# Altium PCB 2-quilter-output.PcbDoc (part 10 of 26) (continued)
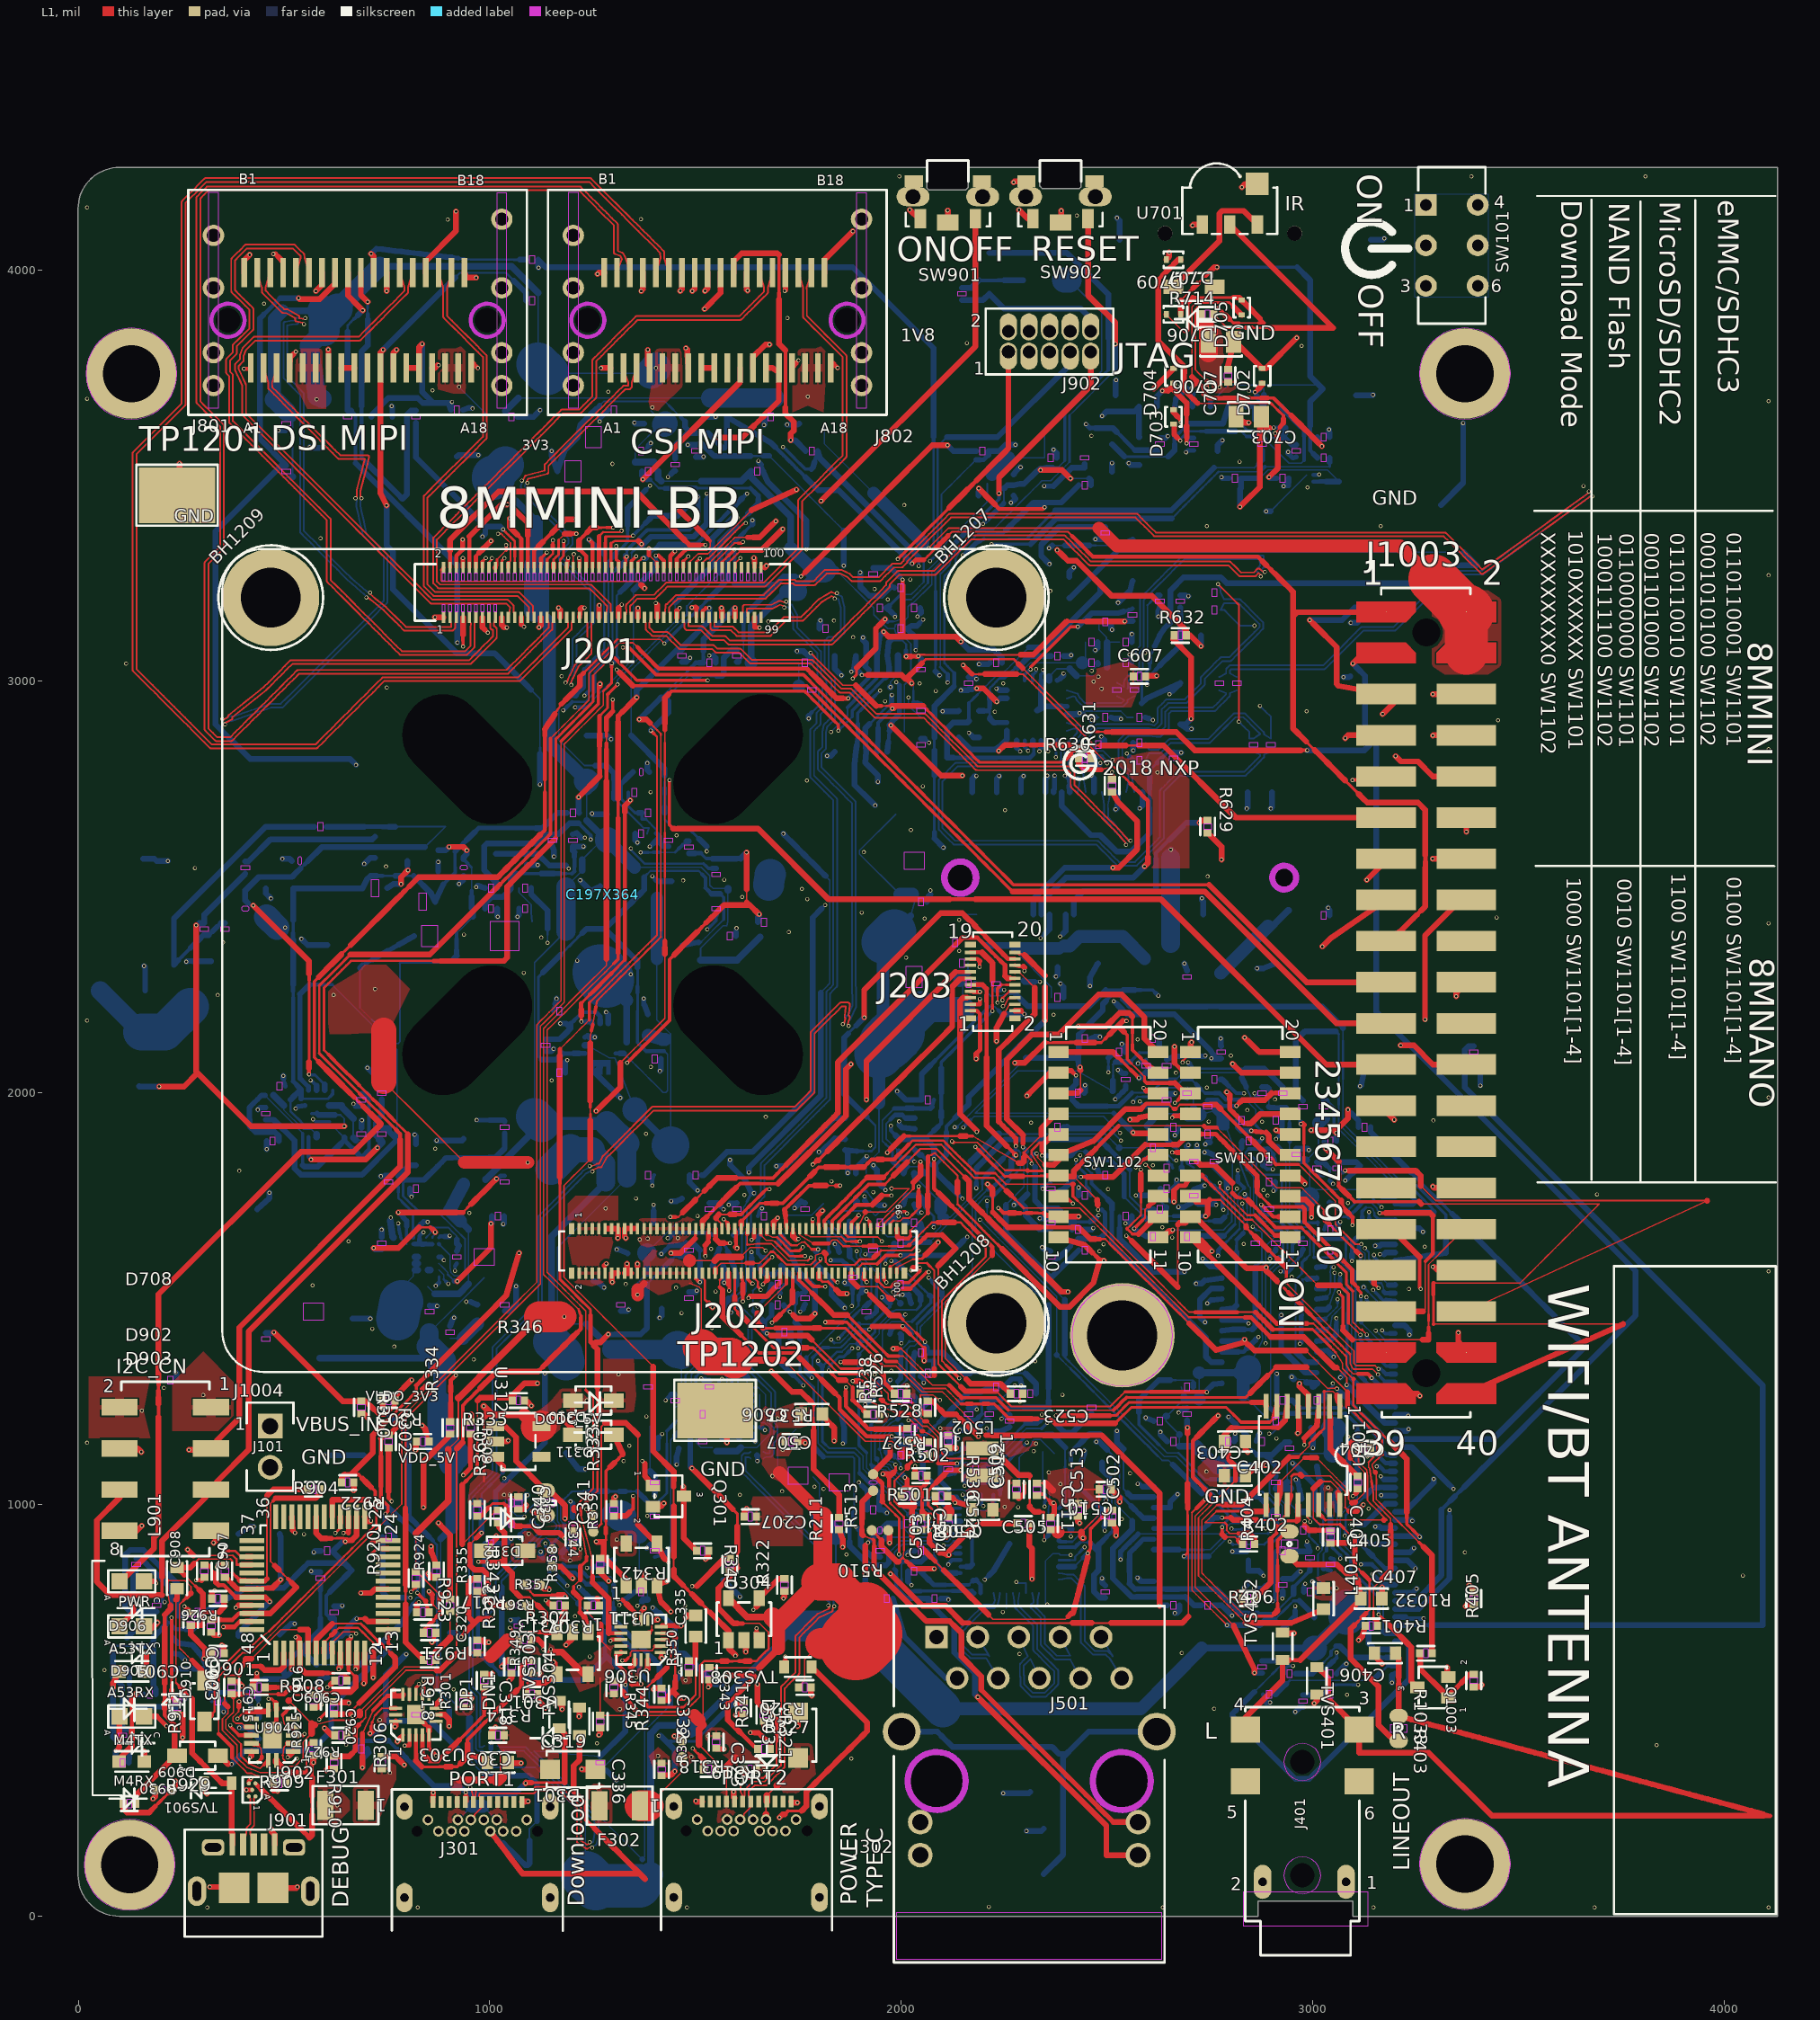
[diagram p0: L1 view]
## Nets (pads, with @x,y where several pads share a name; then routed paths per layer and width w, separated by ;. In a path a pad name is that pad's centre, name@x,y a point inside that pad or via, vN(x,y) a via of type N, cw(c..) or ccw(c..) an arc to the next point about the centre after c; other vN are vias at no path point) (continued)
  L8 w3.5: 1108.61,966.26 1116.63,974.29 ; R517.2@2298.97,1268.81 2306.16,1278.82 2299.49,1282.99
  L8 w3.83: v1(1315.11,755.16) 1321.37,761.42 1327.64,767.69 ; v1(1383.04,971.69) 1389.02,977.66 R328.1@1394.99,983.64 ; v1(2463.2,3025.65) 2469.93,3032.39 C603.2@2478.91,3041.36
  L8 w4.85: 1103.47,959.92 1108.61,966.26 ; 1104.82,953.61 1116.09,950.54 1116.63,949.92 U308.D3@1120.2,946.36 ; 1116.63,974.29 U308.B3@1120.2,977.85 ; v1(2894.65,1171.95) 2901.45,1171.95 2912.24,1182.74 C201.2@2923.03,1193.53 ; 2992.03,921.79 3002.62,911.2 3013.13,900.69 v1@3013.13,892.81 ; 3039.48,1278.11 3049.41,1288.04
  L8 w5.87: 2346.22,1773.82 R1112.2@2354.86,1777.72 ; 2635.57,1731.53 R1118.2@2645.15,1721.95 ; 3049.41,1288.04 v1(3049.41,1293.5)
  L8 w6.9: v1(570.85,1935.76) 576.81,1929.8 ; 2602.26,1750.7 2616.41,1750.7 2625.99,1741.12 2635.57,1731.53 ; 2992.03,921.79 C206.2@2992.04,936.78 ; 3029.56,1268.19 3039.48,1278.11
  L8 w7.92: 437.4,525.74 437.4,513.13 v1(438.3,512.23) ; v1(564.65,2030.64) 565.9,2030.64 572.36,2024.18 ; 576.81,1929.8 587.97,1929.8 599.13,1929.8 U101.2@610.3,1929.78 ; v1(668.58,1973.11) 673.78,1967.91 ; v1@837.64,1660.9 v1(839.29,1660.9) ; v1(915.92,1567.44) C333.2@915.91,1579.54 ; v1@956,3664.81 v1(958.05,3662.77) ; v1(967.3,2500.24) v1@970.26,2503.2 ; v1(1135.66,904.68) 1135.66,897.49 1144.17,888.99 1152.67,880.48 U310.B3@1161.18,871.98 ; 1410.66,1162.23 v1(1419.37,1170.94) ; v1(1433.53,3496.59) C806.2@1441.17,3504.23 ; v1(1514.61,1306.27) 1518.6,1302.29 ; v1(1529.05,2397.04) 1535.29,2403.28 1541.53,2409.52 1547.33,2415.32 1550.67,2418.67 C121.2@1550.66,2432.76 ; v1(1533.46,3062.47) 1543.66,3062.47 ; v1(1858.37,1147.85) v1@1861.21,1150.69 ; v1(1911.34,1748.56) 1912.4,1747.5 U505.2@1912.4,1737.23 ; v1(1912.75,1608) v1@1915.28,1608 ; v1@1989.44,1699.32 v1(1993.63,1699.32) ; v1(2000.73,1391.2) 2000.73,1401.41 ; v1@2180.87,1233.76 v1(2183.91,1230.73) ; v1(2231.46,2982.05) v1@2235.64,2982.05 ; 2324.88,2269.94 v1(2337.46,2269.94) ; U601.10@2340.02,3016.05 2345.08,3021.11 v1(2345.08,3027.55) ; R1112.2@2354.86,1777.72 R1112.2@2363.5,1781.62 ; v1(2526.68,2055.67) v1@2529.47,2055.67 ; v1(2548.86,2824.06) 2548.86,2823.67 R621.2@2556.62,2815.91 ; v1(2570.66,1750.7) 2579.39,1750.7 ; v1(2665.76,1896.78) 2672.09,1903.12 R1139.2@2676.85,1916.27 ; J701.6@2708.53,3694.56 2715.05,3701.08 v1(2721.57,3707.6) ; v1@2877.84,1887.62 v1(2877.84,1889.54) ; v1@3013.13,892.81 v1(3013.21,892.72) ; v1@3014.78,3501.3 v1@3016.35,3502.86
  L8 w8.94: 498.17,2034.52 C106.2@501.24,2024.27 ; 572.36,2024.18 U101.10@578.82,2017.72 ; v1(810.01,1747.01) v1@810.01,1750.63 ; 1073.62,925.91 1083.86,936.15 1094.09,946.38 ; 1115.16,946.38 U308.D3@1120.2,946.36 ; v1@1236.35,845.5 C301.2@1249.4,845.5 ; 1395.19,1785.55 C209.2@1399.53,1800.06 ; v1(1395.3,2526.69) 1404.43,2517.56 ; C522.2@1652.03,1700.43 1655.79,1712.99 v1(1662.03,1719.23) ; v1(1755.01,1468.06) 1760.65,1473.7 ; v1@1915.59,1607.68 C521.2@1923.9,1605.19 ; 2043.08,1709.27 v1(2050.08,1709.27) ; C219.2@2057.71,2860.73 v1(2067.8,2850.62) ; v1(2164.84,2874.92) 2170.68,2869.09 ; C622.2@2240.63,2250.34 v1(2250.27,2250.34) ; v1(2336.31,2830.11) 2336.31,2834.72 2340.02,2838.43 ; U601.10@2340.02,3002.09 U601.10@2340.02,3016.05 ; v1@2399.11,2770.47 2407.6,2761.98 ; v1@2481.74,2798.57 v1(2484.3,2801.13) ; v1@2494.51,936.7 v1(2495,936.21) ; v1(2545.48,1683.04) 2554.05,1683.04 ; 2581.1,2076.06 R1120.2@2595.75,2080.45 ; v1@2665.11,1998.95 v1(2667.2,1998.95) ; C203.2@2865.25,1160.2 2867.77,1168.61
  L8 w9.96: U305.B5@813.73,1632.34 818.78,1632.34 ; 829.49,1643.03 U305.A4@829.48,1648.08 829.49,1652.75 v1@837.64,1660.9 ; C333.2@915.91,1579.54 C333.2@920.29,1586.08 ; U310.B3@1160.4,869.52 U310.B3@1161.18,871.98 ; v1(1395.19,1774.51) 1395.19,1785.55 ; 1398.56,1712.92 1398.56,1727.35 v1(1398.73,1727.52) ; v1(1427.61,1253) 1434.6,1259.98 C313.2@1441.58,1266.96 ; U302.B2@1593.39,1187.5 1598.43,1187.52 ; 1604.09,1187.52 U302.B3@1609.14,1187.5 1614.17,1187.52 ; U302.A4@1624.88,1171.76 1624.88,1176.81 ; 1635.59,1187.52 U302.B5@1640.63,1187.5 ; v1(1980.56,1515.31) v1@1983.8,1518.55 ; 1995.43,1922.36 v1(1995.43,1930.41) ; v1(2015.59,876.28) v1@2015.59,880.47 ; 2016.97,812.63 v1(2025.75,803.85) ; v1@2180.08,2770.17 v1(2183.31,2770.17) ; v1(2203.05,816.59) 2213.97,827.52 ; 2280.96,2838.69 v1(2289.54,2830.11) ; v1(2291.62,1288.16) 2299.49,1282.99 ; v1(2398.21,2770.47) v1@2399.11,2770.47 ; 2407.6,2761.98 J601.51@2408.63,2746.26 ; v1@2494.51,936.7 2494.51,946.22 ; v1(2574.76,1049.86) 2580.16,1049.86 U202.22@2586.89,1043.13 ; C606.2@2602.34,2909.24 2611.73,2905.76 v1(2612.27,2905.76) ; v1(2674.75,1222.69) 2684.72,1232.65 ; 2875.27,832.58 v1@2881.09,826.75 ; U702.B2@3001.73,3501.29 v1@3014.78,3501.3 ; 3337.26,1042.78 v1(3342.93,1037.1)
  L8 w10.99: v1@208.28,762.47 v1(209.87,762.47) ; C106.2@501.24,2024.27 C106.2@503.75,2015.88 ; U305.B3@845.22,1632.34 U305.B2@860.97,1632.34 ; v1(1267.16,3631.72) 1267.16,3639.55 ; 1327.64,767.69 1328.76,768.81 ; v1(1580.95,1727.74) v1@1583.89,1730.68 ; C141.2@1598.6,2389.88 1598.6,2398.65 v1(1600.06,2400.11) ; C521.2@1923.9,1605.19 C521.2@1932.2,1602.68 ; R522.2@2046.83,1311.28 2054.73,1303.38 ; v1(2576.27,2071.23) 2581.1,2076.06 ; v1@2735.98,1774.78 v1(2738.15,1774.78) ; U202.9@2840.1,885.52 U202.9@2844.15,889.6 ; C203.2@2862.98,1152.6 C203.2@2865.25,1160.2 ; 2869.52,1879.3 v1@2877.84,1887.62 ; C201.2@2923.03,1193.53 C201.2@2925.68,1202.4 ; v1(3146.11,830.01) 3154.58,821.54 3163.05,813.07 3171.52,804.61
  L8 w12.01: 818.78,1632.34 824.45,1632.34 U305.B4@829.48,1632.34 ; 829.49,1643.03 829.49,1637.36 U305.B4@829.48,1632.34 ; 834.53,1632.34 U305.B4@829.48,1632.34 ; 840.2,1632.34 U305.B3@845.22,1632.34 ; U307.B1@1003.24,405.53 1003.23,417.66 1003.92,418.35 v1(1003.92,419.65) ; 1123.93,874.51 U310.D3@1128.91,869.52 ; v1(1374.3,2228.85) 1374.3,2215.1 1375.87,2213.54 ; v1@1401.38,1020.2 v1(1401.67,1019.91) ; 1478.43,3047.03 1487.22,3055.82 v1(1487.22,3057.06) ; 1598.43,1187.52 1604.09,1187.52 ; 1614.17,1187.52 1619.84,1187.52 U302.B4@1624.88,1187.5 ; 1624.88,1176.81 1624.88,1182.48 U302.B4@1624.88,1187.5 ; 1635.59,1187.52 1629.92,1187.52 U302.B4@1624.88,1187.5 ; v1(1650.45,1104.81) U309.B1@1650.45,1118.3 ; 1731.32,1400.7 v1(1738.8,1393.21) ; v1(1912.56,1242.73) 1917.31,1247.48 ; v1@1915.28,1608 v1@1915.59,1607.68 ; v1(2054.73,1295.63) 2054.73,1303.38 ; v1(2267.06,3433.74) v1@2268.09,3433.74 ; 2268.84,1304.56 2279.24,1304.56 2289.63,1304.56 ; 2340.02,2838.43 2340.02,2847.03 U601.21@2340.02,2855.63 ; U601.10@2340.02,2989.28 U601.10@2340.02,3002.09 ; v1(2344.12,1766.67) 2344.12,1771.72 ; U601.15@2390.01,2938.68 U601.15@2403.41,2938.7 ; 2463.22,1667.24 v1(2467.27,1671.29) ; v1@2533.91,2909.18 v1(2534.51,2908.58) ; 2554.05,1683.04 2560.73,1689.72 ; v1(2555.26,3064.6) 2559.11,3060.75 C605.2@2559.11,3050.56 ; 2812.14,1163.42 v1(2812.14,1171.64) ; R1102.2@2859.33,1883.07 2869.52,1879.3 ; 2867.77,1168.61 v1(2872.23,1173.07) ; v1@2941.16,3553.89 2946.81,3548.24 2952.46,3542.6 C704.2@2960.69,3545.07
  L8 w13.03: 201.83,768.92 v1@208.28,762.47 ; v1(262.73,2318.34) 264.42,2320.02 C107.2@279.09,2320.02 ; v1(436.47,1958.92) 441.78,1964.23 C114.2@455.82,1964.23 ; 834.53,1632.34 840.2,1632.34 ; 1104.62,946.38 1115.16,946.38 ; v1(1381.84,893.7) 1389.87,901.73 ; v1@1401.38,1020.2 1401.38,1029.21 ; v1(1820.14,2819.15) v1@1820.33,2818.97 ; R522.2@2046.83,1311.28 R522.2@2050.14,1318.61 ; R525.2@2251.76,1287.48 2259.26,1294.98 2268.84,1304.56 ; 2289.63,1304.56 2292.74,1292.65 2295.86,1280.74 ; 2344.12,1771.72 2346.22,1773.82 ; 2350.61,2762.63 2355.47,2767.49 v1(2355.47,2770.59) ; v1@2370.84,3562.08 2378.25,3554.67 ; C605.2@2559.11,3050.56 C605.2@2560.73,3045.18 ; v1(2579.97,2691.13) 2586.83,2697.99 ; v1@2663.58,1997.42 v1@2665.11,1998.95 ; v1(2778.75,3496.2) v1@2781.52,3493.43 ; U202.12@2843.63,807.26 2844.17,807.26 U202.12@2844.15,812.83 ; 2964.19,1055.32 2966.19,1046.26 2968.19,1037.21 ; v1(3166.97,1022.07) v1@3167.9,1021.14
  L8 w14.05: C109.2@157.22,2569.06 184.54,2569.06 190.58,2563.02 v1(217.9,2563.02) ; v1(159.92,2308.26) 162.58,2305.6 C108.2@162.58,2248.3 ; C918.2@190.4,768.92 201.83,768.92 ; U903.2@229.91,637.95 245.8,635.06 v1(259.35,621.51) ; v1(236.6,1320.65) 238.33,1318.92 C1003.2@238.34,1302.01 ; C917.2@240.16,536.5 251.49,537.3 259.62,529.18 v1(259.62,526.94) ; C107.2@279.09,2320.02 293.76,2320.02 308.44,2320.02 C107.2@323.11,2320.02 ; v1(353.15,495.84) 353.15,510.09 356.85,513.79 C905.2@354.46,521.74 ; X901.2@389.23,927.84 417.68,945.35 v1@426.4,945.35 ; v1(391.55,456.83) 404.52,456.83 412.14,456.83 C912.2@439.2,429.76 ; C326.2@434.65,1717.07 464.73,1743.72 v1(464.73,1757.02) ; 437.4,525.74 C910.2@437.4,538.34 ; D101.A@455.53,2497.13 455.53,2484.94 v1(468.31,2472.16) ; C161.2@457.66,1883.07 457.66,1863.39 v1(458.04,1863) ; v1(486.32,3609.81) 503.92,3609.81 C802.2@505.58,3611.47 ; X901.4@489.23,683.3 516.75,709.67 v1(525.81,709.68) ; v1(496.57,2568.36) 514.12,2568.36 R109.2@518.76,2563.73 ; 498.16,2034.52 v1(498.16,2041.43) ; v1(542.52,2373.83) 557.46,2358.9 C101.2@605.11,2358.91 ; v1(562.49,3568.93) 563.98,3567.44 C801.2@588.52,3567.44 ; v1(566.21,837.41) 568.29,835.33 C911.2@588.52,835.33 ; v1(572.6,883.73) 575.85,886.97 C914.2@590.35,886.97 ; U101.10@578.81,2006.56 U101.10@578.82,2017.72 ; v1(579.22,566.63) 586.48,573.88 C906.2@605.11,579.16 ; v1(597.86,1119.46) 597.94,1119.39 C304.2@693.57,1119.4 ; C913.2@621.7,752.32 640.03,752.32 v1(641.42,753.7) ; C321.2@666.23,1451.43 701.22,1451.44 v1(709.82,1451.44) ; 673.78,1967.91 C113.2@688.05,1967.92 ; C105.2@688.05,1914.43 688.07,1931.74 v1(689.23,1932.91) ; v1(702.45,2060.6) 731.26,2031.79 R108.2@737.82,2014.04 ; v1(735.64,1797.09) 743.94,1797.09 745.06,1798.21 C325.2@754.41,1798.22 ; v1(737.2,1667.25) 737.2,1649.44 R330.1@737.82,1648.8 ; v1(761.47,3668.86) 763.41,3666.92 C811.2@763.41,3642.83 ; C329.2@806,1766.86 806,1754.64 v1@810.01,1750.63 ; v1(817.75,1898.2) 820.75,1895.2 C334.2@820.75,1875.45 ; C322.2@853.94,1482.79 854.78,1481.94 v1(872.53,1481.94) ; v1(871.1,1884.22) 932.82,1884.22 C327.2@936.88,1888.26 ; Q903.2@874.82,2538.23 874.82,2552.24 v1(874.82,2561.19) ; C331.2@903.71,1432.98 909.69,1449.14 v1(913.79,1453.24) ; C812.2@920.52,3546.06 924.27,3549.82 v1(972.68,3549.82) ; v1(925.54,2507.92) 936.87,2519.25 R139.2@936.88,2527.13 ; C803.2@935.05,3659.43 949.54,3664.81 v1@956,3664.81 ; v1@970.26,2503.2 972.64,2503.2 R133.2@988.48,2497.33 ; R115.2@1018,2447.52 1018.01,2429.34 v1@1019.41,2427.95 ; v1(1050.69,718.77) 1069.26,718.77 C342.2@1069.59,719.12 ; C337.2@1067.76,1003.18 1089.59,1022.28 v1(1091.22,1022.29) ; C804.2@1067.76,3642.83 1106.7,3642.83 1112.93,3649.06 v1(1122.49,3658.62) ; v1(1073.62,918.87) 1073.62,925.91 ; Q102.2@1090.47,2554.83 1092,2553.32 v1(1116.61,2553.32) ; 1094.09,946.38 1104.62,946.38 ; 1103.47,959.92 1104.82,953.61 ; 1123.93,874.51 v1(1123.93,884.9) ; C117.2@1135.95,2100.73 1149.5,2100.73 v1(1155.43,2106.65) ; C145.2@1152.53,2598.78 1156.39,2588.3 v1(1156.4,2574.51) ; C305.2@1185.71,1125 1216.23,1085.34 v1(1232.73,1085.34) ; v1(1196.73,1006.95) 1202.28,1001.4 C338.2@1202.3,968.14 ; v1(1220.1,2516.42) 1228.87,2507.65 1245.26,2491.26 C103.2@1268.64,2501.81 ; C157.2@1235.48,2867.87 1286.28,2867.87 v1(1295.12,2859.03) ; v1(1249.04,2678.55) 1250.46,2677.13 C142.2@1285.03,2677.12 ; C301.2@1249.4,845.5 C301.2@1301.83,865.18 ; C218.2@1252.07,1543.42 1268.49,1535.79 v1(1277.88,1526.4) ; 1267.16,3639.55 C805.2@1287.07,3659.43 ; U102.10@1268.65,2062.2 1254.93,2049.84 v1(1317.38,1987.4) ; v1(1308.97,1619.08) 1313.18,1619.08 C217.2@1335.01,1609.83 ; C213.2@1318.42,1469.87 1334.46,1469.86 v1(1337.83,1473.23) ; 1328.76,768.81 1330.02,768.81 C302.2@1353.43,787.36 ; v1(1352.08,3628.31) 1354.18,3626.22 C813.2@1375.77,3626.23 ; 1375.87,2213.54 C120.2@1384.77,2190.88 ; v1(1383.55,2801.01) 1383.55,2784.18 R111.2@1388.19,2779.55 ; 1389.87,901.73 R329.1@1401.36,901.73 ; R328.1@1394.99,983.64 1399.73,983.64 R328.1@1401.36,984.74 ; C210.2@1398.56,1684.06 1398.56,1698.5 1398.56,1712.92 ; 1401.38,1029.21 C314.2@1401.36,1038.23 ; 1404.43,2517.56 1408.06,2513.93 C119.2@1442.13,2513.93 ; C317.2@1408.95,1135.99 1408.95,1160.52 1410.66,1162.23 ; v1(1413.11,1453.04) 1417.95,1457.89 C212.2@1417.95,1475.64 ; v1(1413.74,2052.73) 1416.12,2055.11 C116.2@1416.12,2082.29 ; C806.2@1441.17,3504.23 1448.81,3511.87 C806.2@1451.13,3511.86 ; v1(1441.34,1736.77) 1453.89,1736.77 C214.2@1467.72,1742.64 ; C313.2@1441.58,1266.97 C313.2@1451.13,1266.97 ; TVS307.1@1450.93,570.94 1460.53,582.95 1463.49,585.92 v1(1463.49,592.1) ; C215.2@1467.72,3047.02 1478.43,3047.03 ; C211.2@1484.31,1515.99 1500.83,1516 v1(1503.59,1518.77) ; 1518.6,1302.29 1524.31,1302.29 C316.2@1534.07,1300.17 ; C814.2@1525.07,3642.83 v1(1549.02,3642.83) ; 1543.66,3062.47 1548.84,3057.28 C216.2@1548.83,3045.18 ; C309.2@1567.27,816.06 1567.5,816.06 v1(1608.04,775.52) ; U506.2@1567.25,1579.82 1569.99,1573.71 v1(1569.99,1538.56) ; v1@1583.89,1730.68 1596.68,1730.68 C525.2@1600.43,1731.81 ; C141.2@1598.6,2381.11 C141.2@1598.6,2389.88 ; U309.B1@1650.19,1119.4 1650.2,1118.55 U309.B1@1650.45,1118.3 ; v1(1666.83,3623.05) 1668.6,3624.83 C807.2@1668.61,3642.83 ; v1(1722.73,3623.46) 1747.14,3623.46 C815.2@1752.52,3626.02 ; 1731.32,1400.7 R520.2@1731.31,1418.22 ; v1(1741.01,1720.07) 1756.95,1736.02 C526.2@1766.31,1731.81 ; 1760.65,1473.7 1762.11,1475.16 R518.2@1766.31,1486.47 ; C220.2@1801.32,3128.18 1801.32,3140.05 1803.6,3142.33 v1(1803.6,3147.78) ; v1@1820.33,2818.97 1829.76,2818.97 U203.7@1838.81,2829.02 ; v1(1839.12,1632.18) 1845.98,1625.32 U502.2@1849.25,1613.02 ; C311.2@1854.49,1219 1861.21,1186.71 v1@1861.21,1150.69 ; U505.2@1912.4,1737.23 U505.2@1915.61,1729.23 ; 1917.32,1247.48 R524.2@1932.2,1254.05 ; C527.2@1963.54,1683.86 1985.09,1694.96 v1@1989.44,1699.32 ; v1@1983.8,1518.55 R523.2@1983.79,1534.43 ; 1995.43,1922.36 2002.02,1915.76 U508.2@2033.44,1912.47 ; U503.2@1998.54,1413.81 2000.73,1411.62 2000.73,1401.41 ; v1@2015.59,880.47 2022.09,886.97 C515.2@2033.56,886.97 ; 2016.97,812.63 C514.2@2016.97,837.17 ; U507.2@2031.73,1729.23 2039.65,1712.7 2043.08,1709.27 ; v1(2035.6,1663.02) 2038.63,1666.05 2051.82,1666.05 C520.2@2046.48,1683.86 ; C219.2@2048.32,2860.72 C219.2@2057.71,2860.73 ; C516.2@2096.24,770.75 2112.44,770.75 v1(2115.12,768.07) ; v1(2100.75,2926.96) 2111.66,2926.96 2138.55,2926.96 Y601.2@2139.84,2928.25 ; R515.2@2114.67,1183.96 2117.09,1190.45 v1(2129,1202.35) ; R521.2@2164.46,1233.76 v1@2180.87,1233.76 ; R625.1@2164.44,3010.13 2178.73,3010.14 v1(2183.32,3005.56) ; 2170.68,2869.09 2176.51,2863.25 Y601.4@2189.84,2863.25 ; J601.75@2173.44,2730.53 2173.44,2763.53 v1@2180.08,2770.17 ; 2213.97,827.52 2224.9,838.44 U501.49@2264.06,903.7 ; C622.2@2230.79,2250.14 2231,2250.34 C622.2@2240.63,2250.34 ; J601.69@2232.51,2730.52 2232.5,2763.53 2238.08,2769.11 v1(2238.08,2770.17) ; v1@2235.64,2982.05 2239.64,2978.05 U601.6@2256.95,2978.07 ; R525.2@2245.55,1285.41 2251.18,1287.48 R525.2@2251.76,1287.48 ; v1(2248.31,297.74) 2310.75,297.74 C517.1@2313.73,300.72 ; v1@2268.09,3433.74 2278.2,3443.85 U204.3@2273.29,3451.22 ; U204.1@2273.29,3502.42 2278.62,3510.43 2288.15,3519.96 v1(2290.41,3519.96) ; 2280.96,2838.69 U601.24@2280.97,2855.63 ; J601.63@2291.57,2730.52 2291.56,2763.54 2297.7,2769.68 v1(2297.7,2769.84) ; 2295.86,1280.74 R517.2@2298.97,1268.81 ; C623.2@2297.15,2272.52 2299.73,2269.94 2312.31,2269.94 2324.88,2269.94 ; v1(2304.7,206.17) 2341.46,206.17 R514.1@2346.91,211.62 ; v1(2337.2,1694.97) 2347.71,1694.97 2351.34,1698.6 R1130.2@2363.5,1698.61 ; U601.10@2340.02,2989.28 2340.02,2976.48 2340.02,2963.68 2340.02,2950.88 2340.02,2938.08 U601.25@2330.18,2928.86 2349.83,2938.68 2363.23,2938.68 2376.62,2938.68 U601.15@2390.01,2938.68 ; v1@2342.85,1624.5 2346.7,1620.65 R1132.2@2363.5,1615.6 ; J601.57@2350.62,2730.52 2350.61,2762.63 ; v1@2370.84,3562.08 v1(2370.84,3562.71) ; v1(2376.59,2282.7) 2380.08,2286.19 C618.2@2380.09,2305.72 ; C221.2@2378.25,3543.23 2378.25,3554.67 ; v1(2387.42,2265.16) 2394.86,2257.72 C621.2@2394.86,2231.69 ; C614.2@2394.86,3061.77 2411.23,3061.77 v1(2413.37,3063.91) ; J601.51@2408.63,2746.26 J601.51@2409.68,2730.52 ; Q604.2@2408.97,3253.29 2408.96,3266.19 v1(2419.57,3276.8) ; v1(2431.36,1769.73) 2431.36,1750.55 R1104.2@2431.67,1750.24 ; Y501.2@2438.43,1102.08 2444.83,1123.01 v1(2444.83,1129.85) ; R1126.2@2444.61,1667.25 2463.22,1667.24 ; R1122.2@2444.61,1999.28 2446.93,2001.6 v1(2446.93,2018.34) ; v1(2459.2,2259.77) 2459.2,2280.01 C625.2@2478.47,2314.71 ; R1124.2@2461.2,2132.09 2471.2,2135.79 v1(2482.95,2135.8) ; C613.2@2461.2,2796.14 2470.09,2798.57 v1@2481.74,2798.57 ; v1(2462.23,2770.74) 2468.72,2764.24 J601.45@2468.73,2730.52 ; v1(2471.95,3075.57) 2477.78,3081.4 C604.2@2477.79,3094.98 ; v1(2472.59,3345.23) 2494.17,3345.23 R618.1@2496.21,3345.85 ; C603.2@2477.79,3045.18 C603.2@2478.91,3041.36 ; v1(2488.33,820.3) 2488.33,810.02 C519.2@2496.21,802.12 ; Y501.4@2488.43,1037.08 2498.05,1016.05 v1(2498.06,1010.07) ; 2494.51,946.22 C518.2@2496.21,955.22 ; C611.2@2510.97,2912.36 2519.55,2909.18 v1@2533.91,2909.18 ; C608.2@2510.97,3144.79 2510.96,3127.23 v1(2512.89,3125.31) ; TVS702.1@2512.58,3509.43 v1(2512.58,3530.47) ; J701.10@2521.5,3694.94 2521.52,3731.19 v1(2522.33,3732) ; v1(2521.88,2688.88) 2525.26,2692.27 J601.39@2527.79,2730.52 ; v1(2524.79,4126.04) 2531.34,4119.49 J701.11@2531.34,4072.9 ; v1@2529.47,2055.67 2537.89,2047.24 R1136.2@2545.97,2047.24 ; v1(2536.97,2118.39) 2536.97,2118.2 2544.15,2111.02 R1114.2@2544.15,2098.9 ; v1(2553.46,3530.07) 2557.51,3526.02 TVS701.1@2578.93,3526.03 ; R621.2@2556.62,2815.91 R621.2@2564.39,2808.13 ; 2560.73,1689.72 R1140.2@2560.73,1700.43 ; C609.2@2560.73,3094.98 2560.73,3114.05 v1(2561.18,3114.49) ; v1(2564.39,2831.86) R622.2@2564.39,2850.58 ; v1(2574.47,821.55) 2583.21,812.82 U202.13@2614.25,812.82 ; 2579.39,1750.7 2588.12,1750.7 2602.26,1750.7 ; 2586.83,2697.99 J601.33@2586.84,2730.52 ; U202.22@2586.89,1043.13 U202.22@2614.25,1043.13 ; C606.2@2593.91,2912.36 C606.2@2602.34,2909.24 ; v1(2594.52,1210.44) 2595.74,1209.22 C204.2@2614.16,1202.4 ; v1(2625.18,3157.64) 2625.18,3169.81 R619.1@2628.92,3179.83 ; v1(2630.19,1175.65) 2630.19,1169.74 C205.2@2647.33,1152.6 ; R1118.2@2643.68,1717.05 R1118.2@2645.15,1721.95 ; R1106.2@2645.5,1997.44 v1@2663.58,1997.42 ; R1116.2@2660.26,1766.86 2670.12,1776.72 v1(2670.12,1788.32) ; R620.1@2678.68,3209.35 2690.51,3209.35 2692.73,3207.14 v1(2698.22,3207.14) ; 2684.72,1232.65 2692.82,1232.65 R215.2@2695.27,1233.76 ; v1(2688.41,2314.51) 2688.59,2314.32 C617.2@2695.27,2296.26 ; J701.6@2708.51,3667.38 J701.6@2708.52,3694.56 ; R1134.2@2711.86,1765.01 2735.32,1774.12 v1@2735.98,1774.78 ; R1108.2@2711.85,1848.02 2719.18,1855.34 v1(2719.18,1873.13) ; v1(2731.44,2472.38) 2731.44,2467.97 2734.47,2464.94 J601.18@2734.48,2433.28 ; v1(2733.05,1596.36) 2750.99,1578.42 U201.12@2779.79,1575.58 ; v1(2737.98,1855.28) 2745.46,1855.28 R1128.2@2761.62,1848.02 ; C708.2@2769.21,3559.83 2769.21,3574.18 v1(2780.91,3585.87) ; v1(2777.1,2131.64) 2777.1,2114.77 R1110.2@2778.21,2113.65 ; v1@2781.52,3493.43 C702.2@2796.63,3493.42 ; v1(2805.3,885.52) U202.9@2840.1,885.52 ; C208.2@2809.55,1152.6 2812.14,1155.19 2812.14,1163.42 ; v1(2833.56,797.19) U202.12@2843.63,807.26 ; v1(2840.38,2690.79) 2842.74,2693.14 J601.7@2842.74,2730.53 ; U202.11@2844.15,838.42 2869.44,838.41 2875.27,832.58 ; U202.11@2844.15,838.42 U202.10@2844.15,864.01 ; v1(2865.12,2302.28) 2880.95,2302.28 C624.2@2912.07,2314.71 ; v1(2898.66,2690.73) 2901.79,2693.87 J601.1@2901.8,2730.52 ; v1@2941.16,3553.89 v1(2941.16,3557.43) ; v1(2959.59,1059.92) 2964.19,1055.32 ; C1002.2@2960.69,1864.62 2987.62,1864.63 v1(2991.25,1861) ; 2968.19,1037.21 2970.82,1025.35 Q1002.2@2973.44,1013.48 ; U201.21@3010.29,1370.85 3035.99,1373.39 v1(3051.37,1358.01) ; C202.2@3025.21,1252.21 3029.56,1268.19 ; v1(3038.51,2449.91) 3038.51,2446.34 3041.79,2443.06 C620.2@3041.8,2430.92 ; v1(3075.04,3010.11) 3088.06,3010.1 D1002.A@3092.26,3011.97 ; v1(3093.13,3142.15) 3108.44,3142.15 D1001.A@3109.98,3143.67 ; J701.13@3106.14,3694.94 3146.05,3694.94 v1(3146.97,3695.86) ; v1(3115.95,2015.9) 3118.51,2018.46 C1001.2@3131.81,2082.29 ; J701.12@3141.58,4072.9 3171.47,4072.91 v1(3174.64,4076.08) ; v1(3152.48,1628.52) 3164.18,1628.52 3167.04,1631.38 J1001.7@3200.73,1631.39 ; v1(3152.69,945.63) 3164.1,945.63 3167.33,942.4 J1001.42@3200.73,942.41 ; v1@3167.9,1021.14 J1001.38@3200.73,1021.14 ; 3171.52,804.61 J1001.49@3200.73,804.62 ; v1(3193.37,566.66) 3193.37,584.72 J1001.60@3200.73,588.08 ; J1001.45@3200.73,883.35 3236.62,883.35 v1(3246.77,893.5) ; J1001.40@3200.73,981.78 3224.23,981.77 3294.91,1052.46 v1(3294.91,1061.29) ; J1001.32@3200.73,1139.26 3240.78,1139.25 3331.58,1048.45 3337.26,1042.78 ; J1001.30@3200.73,1178.63 3229.09,1178.62 v1(3233.34,1182.88) ; J1001.28@3200.73,1218 3229.87,1217.99 v1(3232.48,1215.38) ; J1001.17@3200.73,1434.54 3224.23,1434.53 3236.02,1422.74 v1(3236.02,1411.75) ; J1001.5@3200.73,1670.75 3259.76,1670.75 v1(3268.69,1661.82) ; TP1203.1@3312,3428 3366.3,3482.33 3366.3,3610.07 v1(3366.3,3627.7)
  other v1: 313.42,20.62 825.28,20.61 1479.73,20.6 2636.27,20.58 3148.05,20.57 3685.51,20.57 4108.4,20.57 2213.62,21.8 1879.35,381.65 3836.62,414.4 650.87,415.31 1260.84,418.76 3265.14,491.56 2761.21,503.35 1006.15,588.48 63.81,596.8 2288.14,636.47 1185.85,658.32 1474.9,753.44 2881.09,826.75 4046.18,827 1236.35,845.5 1867.25,877.83 3370.73,883.51 548.5,927.51 426.41,945.35 2536.22,964.34 1423.25,1002.22 1339.82,1141.98 21.43,1149.4 1576.55,1149.92 3597.21,1345.43 2326.04,1347.4 714.65,1426.62 3234.32,1523.52 4108.4,1566.09 2342.85,1624.5 3691.84,1753.13 391.16,1810.28 867.46,1864.14 3294,1932.64 1671.08,1941.28 4108.4,1988.98 2801.64,2090.22 21.44,2175.5 2370.55,2189.8 1082.89,2291.84 4108.4,2411.87 3447.72,2426.16 1019.41,2427.95 1758.8,2495.32 2744.85,2525.77 283.68,2546.31 748.04,2549.83 2252.51,2686.6 4108.4,2834.76 3450.78,2905.47 2985.7,2926.75 750.01,2984.78 1175.08,3012.41 116.62,3042.83 1676.88,3145.18 2362.72,3219.28 4108.4,3257.65 588.64,3347.39 2742.92,3377.23 3165.81,3377.23 2007.58,3428.07 3658.88,3474.78 3016.35,3502.86 4108.4,3680.54 21.46,3686.72 1288.27,3703.56 861.16,3707.13 2973.6,3815.37 2160.12,3822.09 1723.67,3882.72 451.42,3917.94 1368.45,3948.55 897.88,4122.08 1367.49,4122.99 2427.04,4131.87 21.46,4151.47 1995.53,4227.01 2823.8,4227.01 3386.2,4227.01 3809.09,4227.01
GND_CHASSIS: C517.2 J501.15 J501.16 R514.2 | length 979.7
  L8 w13.03: 2074.48,447.52 2087.86,447.52 2097.06,438.32
  L8 w14.05: J501.16@2001.42,447.52 2047.72,447.52 2061.1,447.52 2074.48,447.52 ; 2097.06,438.32 2106.26,429.11 2115.46,419.91 2124.67,410.71 C517.2@2313.73,410.72 2366.79,410.71 2384.1,393.4 2401.8,393.4 ; R514.2@2346.91,101.38 2346.91,101.62 2394.07,148.77 2394.07,385.68 2401.8,393.4 ; J501.15@2621.5,447.52 2455.91,447.52 2415.32,406.93 2401.8,393.4
GPIO1_IO15: J202.38 R217.1 R219.2 | length 467.7
  L1 w5.87: 1501.28,1547.6 J202.38@1501.27,1561.94
  L1 w7.92: v1@1508.83,1540.05 v1(1510.87,1540.05)
  L1 w8.94: 1501.28,1547.6 v1@1508.83,1540.05
  L6 w10.99: 1426.5,1617.54 1436.49,1627.53
  L6 w12.01: v1(1417.33,1608.37) 1426.5,1617.54
  L6 w14.05: 1436.49,1627.53 1461.39,1627.53 1488.68,1654.82 1488.68,1745.17 v1(1505.88,1762.37)
  L8 w6.9: 1510.87,1591.98 1510.87,1604.87 1510.87,1617.77
  L8 w10.99: v1@1417.63,1608.37 1427.9,1618.64 1438.17,1628.91
  L8 w14.05: v1(1417.33,1608.37) v1@1417.63,1608.37 ; 1438.17,1628.91 1468.86,1628.91 1475.93,1635.98 R219.2@1484.31,1632.2 1496.43,1632.2 1510.87,1617.77 ; R217.1@1486.13,1800.06 1486.12,1782.14 v1(1505.88,1762.37) ; v1(1510.87,1540.05) 1510.87,1553.29 1510.87,1566.18 1510.87,1579.08 1510.87,1591.98
I2C2_SCL: J201.22 R201.2 R631.2 R810.2 U203.2 | length 3552.6
  L1 w3.5: 1050.63,3292.83 1050.63,3307.23 1050.63,3321.64 1050.63,3336.04
  L1 w3.83: v1(1020.14,3358.83) 1027.84,3358.83 1035.44,3351.23 1043.04,3343.64 1050.63,3336.04
  L1 w4.85: J201.22@1045.3,3287.49 1050.63,3292.83
  L1 w8.94: 2512.43,2770.57 v1(2512.43,2779.64)
  L1 w10.99: J201.22@1045.28,3276.42 J201.22@1045.3,3287.49
  L1 w14.05: v1(1975.11,2893.12) 2097.4,2770.83 v1(2149.11,2770.83) ; 2512.43,2770.57 2512.43,2761.49 R631.2@2512.8,2761.11
  L3 w7.92: v1(1985.15,3156.71) v1@1988.4,3153.46
  L3 w8.94: v1(1988.4,2997.9) 1988.4,3013.46 1988.4,3029.01 1988.4,3044.57 1988.4,3060.12 1988.4,3075.68 1988.4,3091.24 1988.4,3106.79 1988.4,3122.35 1988.4,3137.9
  L3 w14.05: 1988.4,3137.9 v1@1988.4,3153.46 ; v1(2149.11,2770.83) 2166.47,2753.47 2474.11,2753.47 v1(2512.43,2779.64)
  L6 w4.85: v1(1020.14,3358.83) 1020.15,3374.49 ; 1020.15,3405.79 1020.15,3421.44 ; 1020.15,3624.9 1020.15,3640.55 1020.15,3656.2
  L6 w6.9: 1020.15,3374.49 1020.15,3390.14
  L6 w7.92: 1020.15,3421.44 1020.15,3437.09 1020.15,3452.74 1020.15,3468.39 1020.15,3484.04 1020.15,3499.69 1020.15,3515.34 1020.15,3530.99 1020.15,3546.65 1020.15,3562.3 1020.15,3577.95 1020.15,3593.6 1020.15,3609.25 1020.15,3624.9
  L6 w8.94: 1020.15,3390.14 1020.15,3405.79
  L6 w14.05: 1020.15,3656.2 1119.21,3755.26 v1(1119.21,4005.05)
  L8 w3.5: 1999.38,3211 2011.96,3211 2024.54,3211 2034.63,3221.09 2044.72,3231.18 2054.81,3241.27
  L8 w4.85: 2054.81,3241.27 2054.81,3254.31 2054.81,3267.36 2054.81,3280.4 2054.81,3293.45 2062.86,3301.49 2070.9,3309.54 2074.63,3313.27 2078.96,3321.35 2078.96,3332.98 2078.96,3348.35 2078.96,3363.73 2078.96,3379.1 2078.96,3394.47 2078.96,3409.85 2078.96,3425.22 2078.96,3440.59 2078.96,3455.97 2078.96,3471.34 2078.96,3486.71 2078.96,3502.09 2078.96,3517.46 2078.96,3532.83 2078.96,3548.21 2078.96,3563.58 2078.96,3578.96
  L8 w7.92: R201.2@1970.96,3182.58 1977.38,3189 1988.38,3200 1999.38,3211 ; v1(1985.15,3156.71) v1@1985.15,3159.4
  L8 w8.94: U203.2@1969.21,2853.01 1970.42,2865 1971.87,2879.55 ; v1(1988.4,2997.9) 1995.66,2990.64
  L8 w9.96: 2078.96,3578.96 2078.96,3594.33
  L8 w12.01: 1987.71,2911.91 1995.66,2919.86 1995.66,2934.02 1995.66,2948.17 1995.66,2962.33 1995.66,2976.48 1995.66,2990.64
  L8 w13.03: 1978.85,3165.7 v1@1985.15,3159.4
  L8 w14.05: v1(1119.21,4005.05) 1117.54,4006.73 R810.2@1117.53,4024.67 1135.86,4006.37 1135.95,4006.29 1882.23,4006.29 2078.96,3809.56 2078.96,3794.19 2078.96,3778.81 2078.96,3763.44 2078.96,3748.07 2078.96,3732.69 2078.96,3717.32 2078.96,3701.94 2078.96,3686.57 2078.96,3671.2 2078.96,3655.82 2078.96,3640.45 2078.96,3625.08 2078.96,3609.7 2078.96,3594.33 ; U203.2@1966.81,2829.02 1968.01,2841.01 U203.2@1969.21,2853.01 ; R201.2@1970.96,3182.58 1970.44,3182.58 R201.2@1963.55,3177.99 1972.56,3171.99 1978.85,3165.7 ; 1971.87,2879.55 1973.55,2881.23 v1@1972.45,2893.86 ; v1(1975.11,2893.12) 1973.18,2893.12 v1@1972.45,2893.86 ; 1987.71,2911.91 1979.76,2903.96 v1@1972.45,2893.86